# Altium PCB PCB1.PcbDoc (part 1 of 2)
Units mm, origin at the board's own origin, x right, y up, seen from the top; angles counter-clockwise.
Board outline 68.58 x 53.34 mm, 2 copper layers (L1, L2), stack 1.671 mm thick; 106 components, 71 nets, 327 pads, 71 vias.
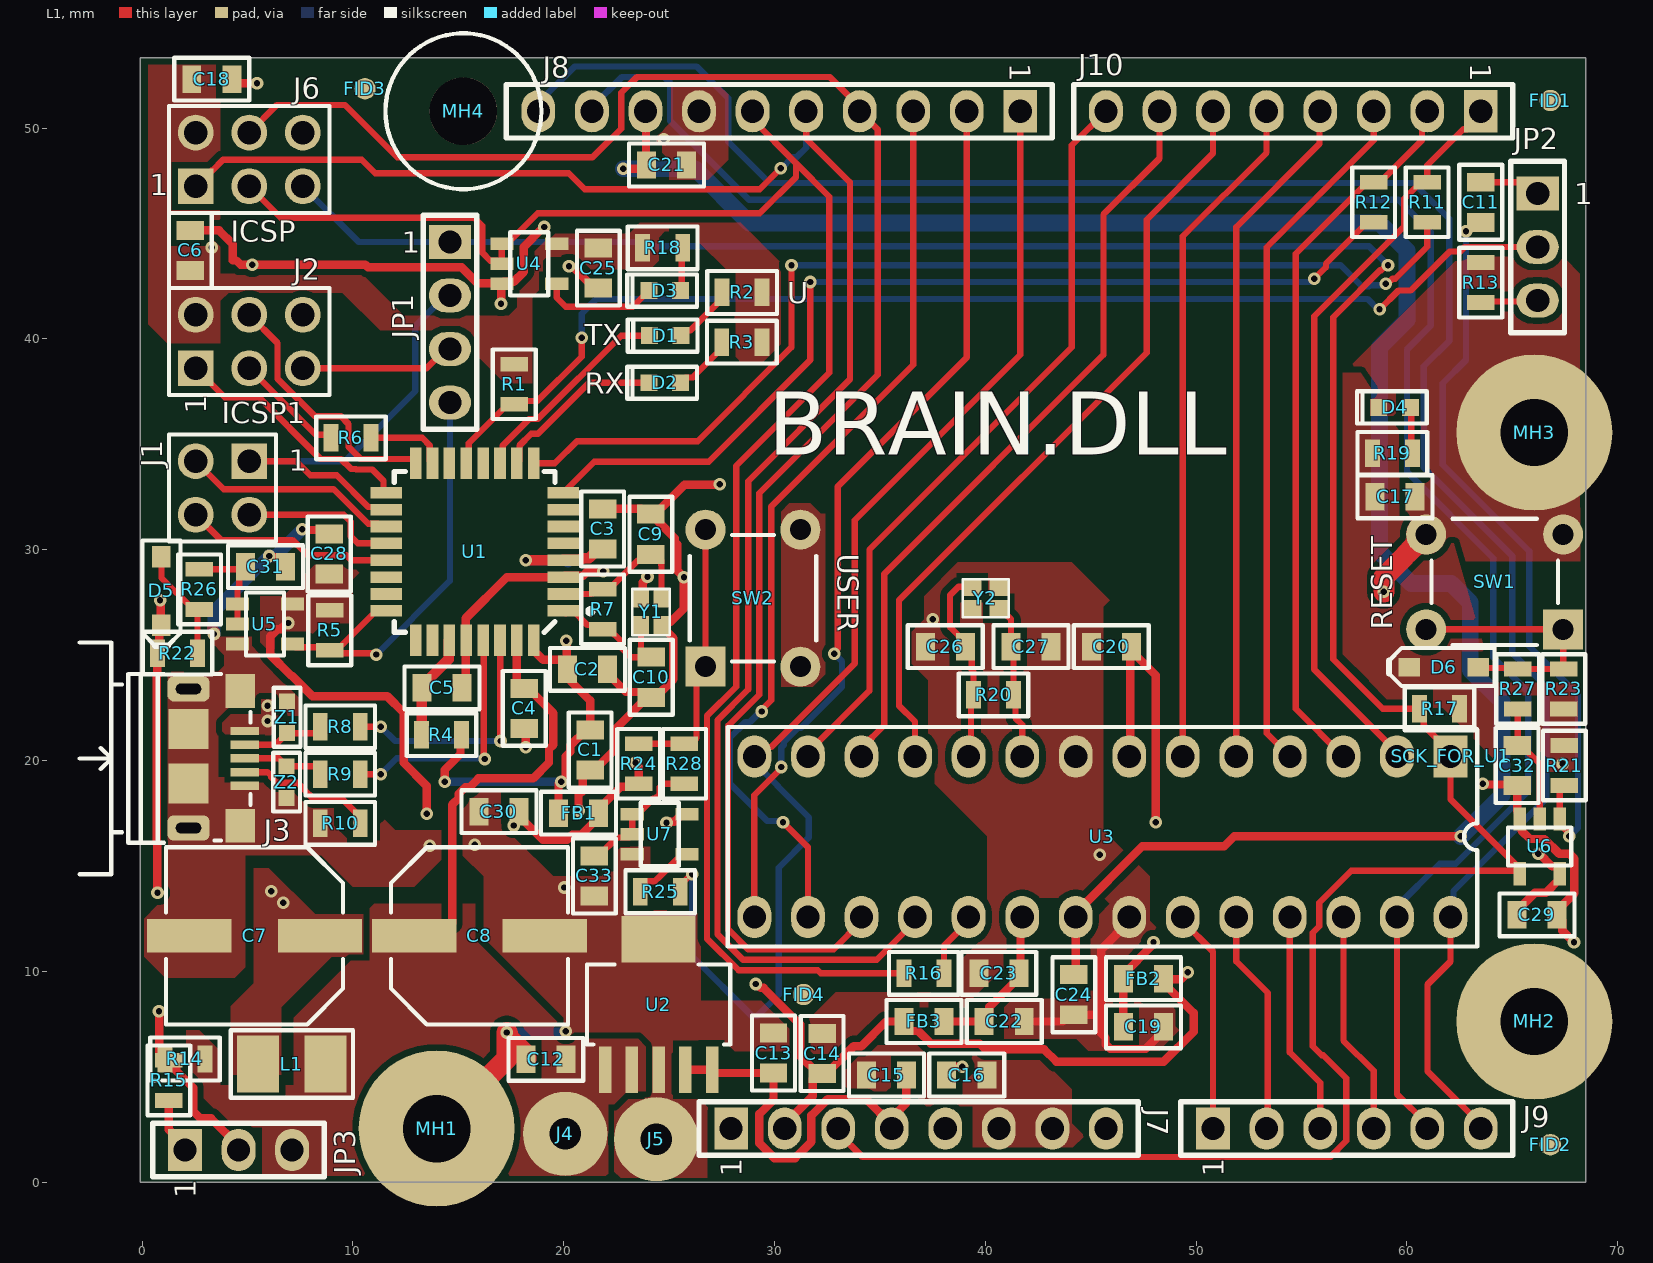
[diagram p0: L1 view]
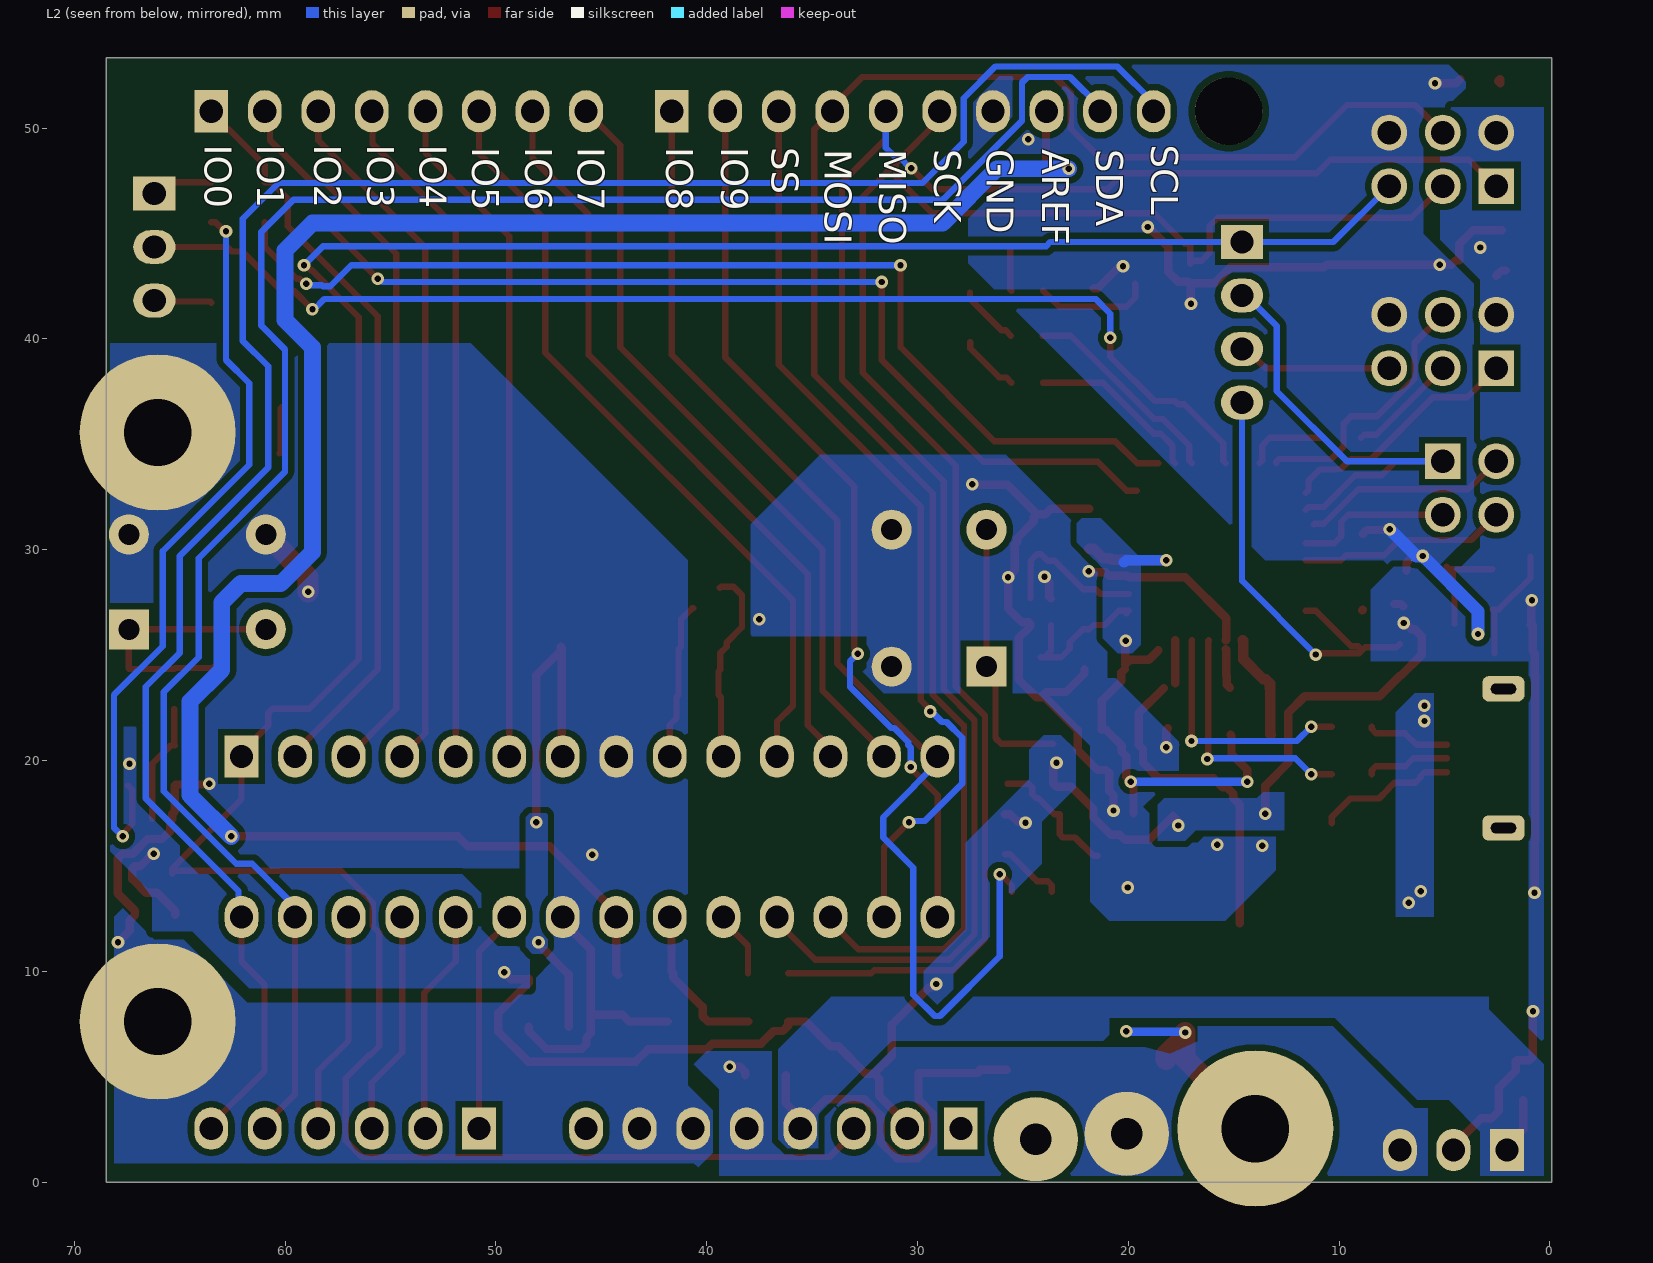
[diagram p1: L2 view, seen from below]
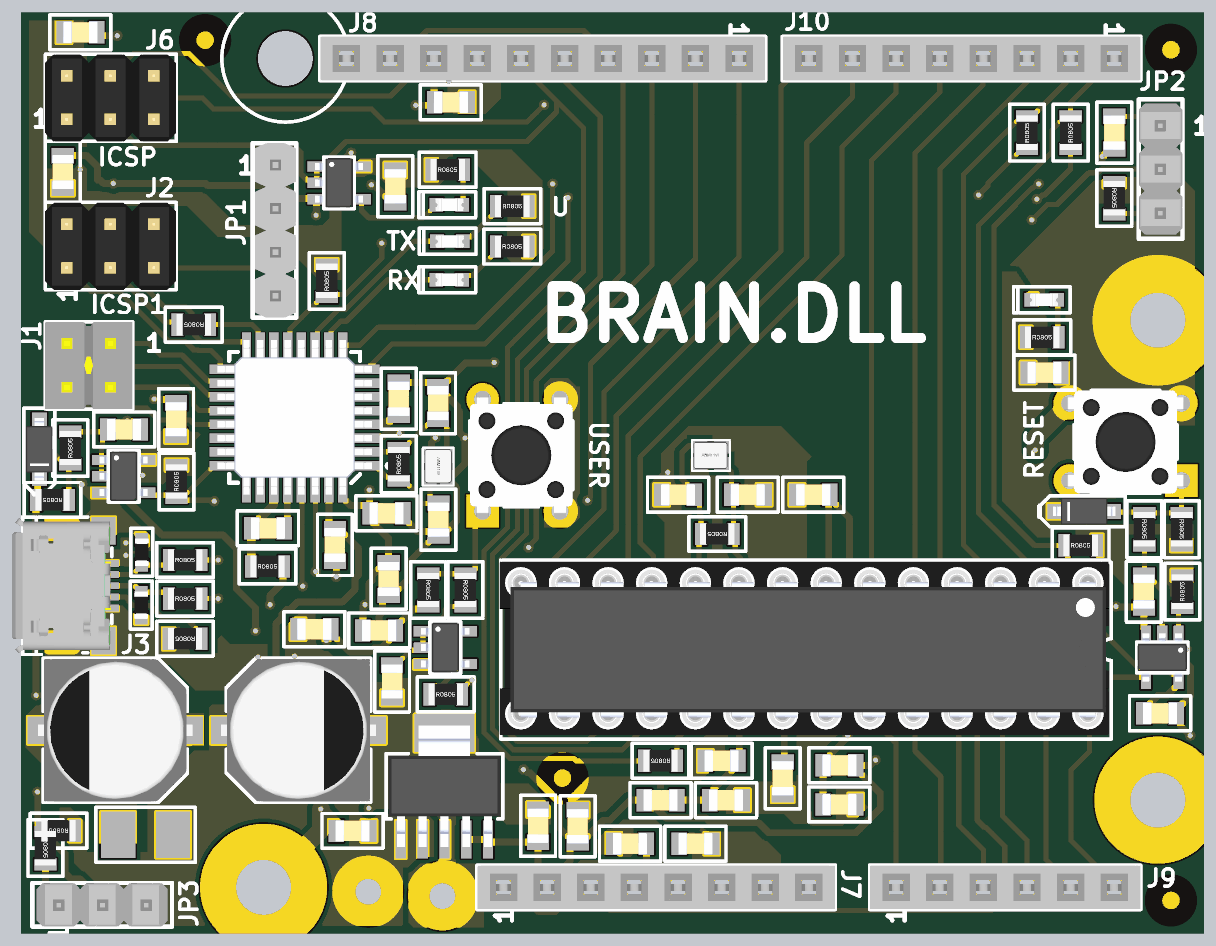
[diagram p3: 3D render of the assembled board from above, using the file's embedded part models]

## Layer stack, top to bottom
Top Solder: solder mask 0.0102, Solder Resist, Dk 3.5
L1: signal copper 0.0356
Dielectric 1: dielectric 1.6, FR-4, Dk 4.8
L2: signal copper 0.0356
Bottom Solder: solder mask 0.0102, Solder Resist, Dk 3.5

## Board outline
-0.1,0 68.48,0 68.48,53.34 -0.1,53.34

## Design rules (kind name [scope] priority, off if disabled: settings)
Clearance "Around Polygons" [IsRegion] p1: gap=0.3 ignorepadtopadclearanceinfootprint=FALSE
Clearance [All] p2: gap=0.2 ignorepadtopadclearanceinfootprint=FALSE
ComponentClearance MH4-FD3 [InComponent('MH4') vs InComponent('FID3')] p1: gap=0 collisioncheckmode=3 verticalgap=0 showdistances=FALSE
ComponentClearance MH4-J8 [InComponent('MH4') vs InComponent('J8')] p2: gap=0 collisioncheckmode=3 verticalgap=0 showdistances=FALSE
ComponentClearance U3 [InComponent('U3') vs InComponent('SCK_FOR_U1')] p3: gap=0 collisioncheckmode=3 verticalgap=0 showdistances=FALSE
ComponentClearance R14-R15 [InComponent('R14') vs InComponent('R15')] p4: gap=0 collisioncheckmode=3 verticalgap=0 showdistances=FALSE
ComponentClearance J4-J5 [InComponent('J4') vs InComponent('J5')] p5: gap=0 collisioncheckmode=3 verticalgap=0 showdistances=FALSE
ComponentClearance NEW_RULE [InComponent('MH1') vs InComponent('J4')] p6: gap=0 collisioncheckmode=3 verticalgap=0 showdistances=FALSE
ComponentClearance [All] p7: gap=0.2 collisioncheckmode=3 verticalgap=0.2 showdistances=FALSE
HoleSize [All] p1: absolutevalues=TRUE maxlimit=10 minlimit=0.2 maxpercent=80.000 minpercent=20.000
HoleToHoleClearance [All] p1: gap=0.3 allowstackedmicrovias=TRUE
MinimumSolderMaskSliver [All] p1: minsoldermaskwidth=0.1
PolygonConnect [All] p1: connectstyle=Direct reliefconductorwidth=0.254 reliefentries=4 polygonreliefangle="90 Angle" airgapwidth=0.254
RoutingVias [All] p1: holewidth=0.3 width=0.6 viastyle="Through Hole" minholewidth=0.3 minwidth=0.6 maxholewidth=0.3 maxwidth=0.6
SilkToSilkClearance [All] p1: silktosilkclearance=0.1
SilkToSolderMaskClearance [IsPad] p1: minsilkscreentomaskgap=0 clearancetoexposedcopper=TRUE
SolderMaskExpansion [All] p1: expansion=0.1 istentingtop=FALSE
Width Width_POWERS [InNet('+5V_USB', 'AREF','5/3V3_16U2') or InNet('GND') or InNet('5V')or InNet('5V/3V3')or InNet('3V3')] p1: maxlimit=4 minlimit=0.4 preferedwidth=0.4
Width [All] p2: maxlimit=0.5 minlimit=0.3 preferedwidth=0.3
24 further rules are at their usual default settings.

## Components (designator, comment, footprint, x,y, rotation, side; value= is the part's Value field where it differs from the comment)
C1 "10uF-0805/16V" C0805 21.25,20.5 r90 top
C2 "100nF-0805/50V" C0805 21.125,24.325 r180 top
C3 "100nF-0805/50V" C0805 21.844,30.988 r270 top
C4 "100nF-0805/50V" C0805 18.125,22.475 r90 top
C5 "1uF/25V" C0805 14.225,23.45 r180 top
C6 "100nF-0805/50V" C0805 2.286,44.196 r270 top
C7 "100uF/10V" C_ALU_E_SIZE 5.334,11.684 r180 top
C8 "100uF/10V" C_ALU_E_SIZE 16.002,11.684 r0 top
C9 "CBR08C180F5GAC" C0805 24.13,30.734 r270 top
C10 "CBR08C180F5GAC" C0805 24.15,23.95 r90 top
C11 "100nF-0805/50V" C0805 63.5,46.482 r270 top
C12 "10uF-0805/16V" C0805 19.15,5.825 r0 top
C13 "10uF-0805/16V" C0805 29.95,6.125 r270 top
C14 "100nF-0805/50V" C0805 32.258,6.096 r270 top
C15 "100nF-0805/50V" C0805 35.306,5.08 r0 top
C16 "100nF-0805/50V" C0805 39.116,5.08 r180 top
C17 "10uF-0805/16V" C0805 59.436,32.512 r180 top
C18 "100nF-0805/50V" C0805 3.302,52.324 r180 top
C19 "10uF-0805/16V" C0805 47.498,7.366 r180 top
C20 "100nF-0805/50V" C0805 45.974,25.4 r0 top
C21 "10uF-0805/16V" C0805 24.875,48.25 r180 top
C22 "10uF-0805/16V" C0805 40.894,7.62 r180 top
C23 "100nF-0805/50V" C0805 40.64,9.906 r0 top
C24 "100nF-0805/50V" C0805 44.196,8.89 r90 top
C25 "100nF-0805/50V" C0805 21.641,43.358 r90 top
C26 "CBR08C180F5GAC" C0805 38.1,25.4 r0 top
C27 "CBR08C180F5GAC" C0805 42.164,25.4 r180 top
C28 "100nF-0805/50V" C0805 8.875,29.8 r270 top
C29 "100nF-0805/50V" C0805 66.167,12.675 r180 top
C30 "100nF-0805/50V" C0805 16.925,17.575 r0 top
C31 "100nF-0805/50V" C0805 5.85,29.2 r0 top
C32 "100nF-0805/50V" C0805 65.227,19.761 r270 top
C33 "100nF-0805/50V" C0805 21.45,14.525 r270 top
D1 "Orange" LED-0603 24.816,40.157 r0 top
D2 "Orange" LED-0603 24.79,37.922 r0 top
D3 "Orange" LED-0603 24.79,42.291 r0 top
D4 "Green" LED-0603 59.411,36.754 r0 top
D5 "MBR0530" SOD-123 0.914,28.042 r90 top
D6 "MBR0530" SOD-123 61.747,24.435 r0 top
FB1 "MMZ2012Y600BT000" C0805 20.7,17.5 r180 top
FB2 "MMZ2012Y600BT000" C0805 47.498,9.652 r180 top
FB3 "MMZ2012Y600BT000" C0805 37.084,7.62 r0 top
FID1 "FID_1MMC" FID_40X120D 66.802,51.308 r0 top
FID2 "FID_1MMC" FID_40X120D 66.802,1.778 r90 top
FID3 "FID_1MMC" FID_40X120D 10.566,51.867 r90 top
FID4 "FID_1MMC" FID_40X120D 31.375,8.9 r90 top
J1 "HDR-2X2" HDR-2X2-2.54MM 5.08,34.2 r270 top locked
J2 "HDR-2X3" HDR-2X3-2.54MM 2.54,38.608 r90 top locked
J3 "10118193-0001LF" USB-A 3.537,20.1 r270 top
J4 "4MMX1.5MM" PAD_WITH_HOLE_4MMX1.5MM 20.066,2.286 r0 top
J5 "4MMX1.5MM" PAD_WITH_HOLE_4MMX1.5MM 24.384,2.032 r0 top
J6 "HDR-2X3" HDR-2X3-2.54MM 2.54,47.244 r90 top locked
J7 "HEADER-FEMALE-1X8-2.54mm" FEMALE-1X8-2.54MM 27.94,2.54 r90 top locked
J8 "HEADER-FEMALE-1X10-2.54mm" FEMALE-1X10-2.54MM 41.656,50.8 r270 top locked
J9 "HEADER-FEMALE-1X6-2.54mm" FEMALE-1X6-2.54MM 50.8,2.54 r90 top locked
J10 "HEADER-FEMALE-1X8-2.54mm" FEMALE-1X8-2.54MM 63.5,50.8 r270 top locked
JP1 "HDR_1X4" HDR-1X4-2.54MM 14.6,44.6 r0 top locked
JP2 "HDR_1X3" FEMALE-1X3-2.54MM 66.2,46.9 r0 top locked
JP3 "HDR_1X3" FEMALE-1X3-2.54MM 2.032,1.524 r90 top locked
L1 "2u2/2A" C1210_IND 7.1,5.6 r0 top
MH1 "MH_7.4MMC_3.2MMD" MH_7.4MMC_3.2MMD 13.97,2.54 r0 top locked
MH2 "MH_7.4MMC_3.2MMD" MH_7.4MMC_3.2MMD 66.04,7.62 r0 top locked
MH3 "MH_7.4MMC_3.2MMD" MH_7.4MMC_3.2MMD 66.04,35.56 r0 top locked
MH4 "MH_7.4MMC_3.2MMD" MH_7.4MMC_3.2MMD_NON_COPPER_NPLT 15.24,50.8 r0 top locked
R1 "100K" R0805 17.65,37.85 r90 top
R2 "560R" R0805 28.458,42.204 r0 top
R3 "560R" R0805 28.45,39.85 r0 top
R4 "0R" R0805 14.2,21.225 r0 top
R5 "10K" R0805 8.9,26.175 r90 top
R6 "22R" R0805 9.906,35.306 r180 top
R7 "1MR/0805" R0805 21.844,27.178 r90 top
R8 "22R" R0805 9.4,21.6 r0 top
R9 "22R" R0805 9.4,19.35 r0 top
R10 "0R" R0805 9.398,17.018 r180 top
R11 "1K" R0805 60.96,46.482 r90 top
R12 "1K" R0805 58.42,46.482 r90 top
R13 "1K" R0805 63.5,42.672 r270 top
R14 "0R" R0805 2.032,5.842 r180 top
R15 "0R" R0805 1.27,4.826 r270 top
R16 "22R" R0805 37.084,9.906 r180 top
R17 "10K" R0805 61.544,22.454 r0 top
R18 "560R" R0805 24.689,44.323 r0 top
R19 "560R" R0805 59.309,34.569 r0 top
R20 "1MR/0805" R0805 40.386,23.114 r180 top
R21 "10K" R0805 67.462,19.761 r90 top
R22 "10K" R0805 1.676,25.095 r180 top
R23 "10K" R0805 67.437,23.393 r270 top
R24 "10K" R0805 23.55,19.85 r270 top
R25 "560R" R0805 24.575,13.775 r0 top
R26 "22R" R0805 2.718,28.118 r90 top
R27 "22R" R0805 65.253,23.393 r270 top
R28 "22R" R0805 25.725,19.85 r270 top
SCK_FOR_U1 "28-DIP Socket" 28_DIP_7.62MM_SOCKET 62.065,20.193 r270 top locked
SW1 "1825910-6" 1825910-6 64.16,28.473 r270 top
SW2 "1825910-6" 1825910-6 28.975,27.7 r180 top
U1 "ATMEGA16U2-AU" TQFP32 15.775,29.9 r180 top locked
U2 "TL1963A-33DCQT" "DCQ (R-PDSO-G6)" 24.6,8.525 r270 top
U3 "ATMEGA328P-PU" DIP28 62.065,20.193 r270 top locked
U4 "SN74AUC1G08DBVR" DBV-SOT-23-5 18.364,43.561 r0 top
U5 "SN74AUC1G08DBVR" DBV-SOT-23-5 5.825,26.475 r0 top
U6 "SN74AUC1G08DBVR" DBV-SOT-23-5 66.294,15.926 r270 top
U7 "SN74AUC1G08DBVR" DBV-SOT-23-5 24.55,16.5 r0 top
Y1 "ABM11W-16.0000MHZ-8-B1U-T3" ABM11W 24.638,27.686 r270 top
Y2 "ABM11W-16.0000MHZ-8-B1U-T3" ABM11W 39.37,28.194 r0 top
Z1 "CGA0603MLC-05E" Z0603 6.875,22.05 r270 top
Z2 "CGA0603MLC-05E" Z0603 6.85,18.975 r90 top

## Footprints (in the part's own frame and the unit in brackets; to place one, negate y for a bottom-side part, rotate by r counter-clockwise, add the part's x,y. Pads: shape width x height; smd on the part's side, far side on the other; paste and mask are expansions set on the pad)
28_DIP_7.62MM_SOCKET [mm]
  body extent -1.32,-34.36 8.78,1.14, height 4.2
1825910-6 [mm]
  rect 1.9x1.9 hole 1: 1(2.25,3.25)
  round 1.9 hole 1: 2(2.25,-3.25) 3(-2.25,3.25) 4(-2.25,-3.25)
  silkscreen extent -3,-3 3,3, body extent -3,-3.9 3,3.9, height 5
ABM11W [mm]
  rect 0.875x0.775 smd mask+0.02: 1(0,0) 2(1.27,0) 3(1.27,-0.975) 4(0,-0.975)
  silkscreen extent -0.45,-1.4 1.75,0.4, body extent -0.38,-1.31 1.62,0.29, height 0.55
C0805 [mm]
  rect 0.9x1.3 smd: 1(-0.95,0) 2(0.95,0)
  silkscreen extent -1.78,-1.02 1.78,1.02, body extent -1,-0.63 1,0.63, height 0.7
C1210_IND [mm]
  rect 2x2.7 smd: 1(-1.6,0) 2(1.6,0)
  silkscreen extent -2.9,-1.6 2.9,1.6, body extent -1.67,-1.26 1.53,1.27, height 2.7
C_ALU_E_SIZE [mm]
  rect 4x1.6 smd: 1(-3.1,0) 2(3.1,0)
  silkscreen extent -4.2,-4.2 4.2,4.2, body extent -4.5,-4.15 4.5,4.15, height 6.22
DBV-SOT-23-5 [mm]
  rect 1.1x0.6 smd: 1(-1.3,0.95) 2(-1.3,0) 3(-1.3,-0.95) 4(1.3,-0.95) 5(1.3,0.95)
  silkscreen extent -0.9,-1.5 0.9,1.5, body extent -1.4,-1.45 1.4,1.45, height 1.45
"DCQ (R-PDSO-G6)" [mm]
  rect 2.2x0.6 smd: 1(3.2,-2.64) 2(3.2,-1.37) 3(3.2,-0.1) 4(3.2,1.17) 5(3.2,2.44)
  rect 2.2x3.5 smd: 6(-3,-0.1)
  silkscreen extent -1.8,-3.5 2,3.3, body extent -3.43,-3.35 3.63,3.15, height 1.8
DIP28 [mm]
  rect 2x1.6 hole 1.1: 1(0,0)
  oval 2x1.6 hole 1.1: 2(0,-2.54) 3(0,-5.08) 4(0,-7.62) 5(0,-10.16) 6(0,-12.7) 7(0,-15.24) 8(0,-17.78) 9(0,-20.32) 10(0,-22.86) 11(0,-25.4) 12(0,-27.94) 13(0,-30.48) 14(0,-33.02) 15(7.62,-33.02) 16(7.62,-30.48) 17(7.62,-27.94) 18(7.62,-25.4) 19(7.62,-22.86) 20(7.62,-20.32) 21(7.62,-17.78) 22(7.62,-15.24) 23(7.62,-12.7) 24(7.62,-10.16) 25(7.62,-7.62) 26(7.62,-5.08) 27(7.62,-2.54) 28(7.62,0)
  silkscreen extent -1.4,-34.29 9.02,1.27, body extent -0.14,-33.72 7.76,0.95, height 8.07
FEMALE-1X3-2.54MM [mm]
  rect 2x1.6 hole 1.1: 1(0,0)
  oval 2x1.6 hole 1.1: 2(0,-2.54) 3(0,-5.08)
  silkscreen extent -1.27,-6.6 1.27,1.52, body extent -1.27,-6.35 1.27,1.27, height 9.21
FEMALE-1X6-2.54MM [mm]
  rect 2x1.6 hole 1.1: 1(0,0)
  oval 2x1.6 hole 1.1: 2(0,-2.54) 3(0,-5.08) 4(0,-7.62) 5(0,-10.16) 6(0,-12.7)
  silkscreen extent -1.27,-14.22 1.27,1.52, body extent -1.27,-14.22 1.27,1.52, height 8.8
FEMALE-1X8-2.54MM [mm]
  rect 2x1.6 hole 1.1: 1(0,0)
  oval 2x1.6 hole 1.1: 2(0,-2.54) 3(0,-5.08) 4(0,-7.62) 5(0,-10.16) 6(0,-12.7) 7(0,-15.24) 8(0,-17.78)
  silkscreen extent -1.27,-19.3 1.27,1.52, body extent -1.27,-19.3 1.27,1.52, height 8.8
FEMALE-1X10-2.54MM [mm]
  rect 2x1.6 hole 1.1: 1(0,0)
  oval 2x1.6 hole 1.1: 2(0,-2.54) 3(0,-5.08) 4(0,-7.62) 5(0,-10.16) 6(0,-12.7) 7(0,-15.24) 8(0,-17.78) 9(0,-20.32) 10(0,-22.86)
  silkscreen extent -1.27,-24.38 1.27,1.52, body extent -1.27,-24.38 1.27,1.52, height 8.9
FID_40X120D [mil]
  round 40 smd paste-40 mask+40: 1(0,0)
HDR-1X4-2.54MM [mm]
  rect 2x1.6 hole 1.1: 1(0,0)
  oval 2x1.6 hole 1.1: 2(0,-2.54) 3(0,-5.08) 4(0,-7.62)
  silkscreen extent -1.27,-8.89 1.27,1.27, body extent -1.14,-8.89 1.27,1.27, height 8.19
HDR-2X2-2.54MM [mm]
  rect 1.7x1.7 hole 1.1: 1(0,0)
  round 1.7 hole 1.1: 2(2.54,0) 3(0,-2.54) 4(2.54,-2.54)
  silkscreen extent -1.27,-3.81 3.81,1.27, body extent -1.27,-3.84 3.81,1.24, height 7.89
HDR-2X3-2.54MM [mm]
  rect 1.7x1.7 hole 1.1: 1(0,0)
  round 1.7 hole 1.1: 2(2.54,0) 3(0,-2.54) 4(2.54,-2.54) 5(0,-5.08) 6(2.54,-5.08)
  silkscreen extent -1.27,-6.35 3.81,1.27, body extent -1.28,-6.33 3.8,1.29, height 9.21
LED-0603 [mm]
  rect 0.8x0.8 smd: 1(-0.75,0) 2(0.75,0)
  silkscreen extent -1.78,-0.76 1.52,0.76, body extent -0.82,-0.38 0.82,0.35, height 0.68
MH_7.4MMC_3.2MMD [mm]
  round 7.4 hole 3.2: 1(0,0)
MH_7.4MMC_3.2MMD_NON_COPPER_NPLT [mm]
  round 3.2 hole 3.2 unplated: 1(0,0)
  silkscreen extent -3.7,-3.7 3.7,3.7
PAD_WITH_HOLE_4MMX1.5MM [mm]
  round 4 hole 1.5: 1(0,0)
R0805 [mm]
  rect 0.7x1.3 smd: 1(-0.95,0) 2(0.95,0)
  silkscreen extent -1.65,-1.02 1.65,1.02, body extent -1,-0.63 1,0.63, height 0.7
SOD-123 [mm]
  rect 1.02x0.88 smd: 1(-1.635,0) 2(1.635,0)
  silkscreen extent -2.6,-0.9 2.4,0.9, body extent -1.83,-0.77 1.83,0.77, height 1.46
TQFP32 [mm]
  rect 1.5x0.55 smd mask+0.06: 1(-4.2,2.8) 2(-4.2,2) 3(-4.2,1.2) 4(-4.2,0.4) 5(-4.2,-0.4) 6(-4.2,-1.2) 7(-4.2,-2) 8(-4.2,-2.8) 17(4.2,-2.8) 18(4.2,-2) 19(4.2,-1.2) 20(4.2,-0.4) 21(4.2,0.4) 22(4.2,1.2) 23(4.2,2) 24(4.2,2.8)
  rect 0.55x1.5 smd mask+0.06: 9(-2.8,-4.2) 10(-2,-4.2) 11(-1.2,-4.2) 12(-0.4,-4.2) 13(0.4,-4.2) 14(1.2,-4.2) 15(2,-4.2) 16(2.8,-4.2) 25(2.8,4.2) 26(2,4.2) 27(1.2,4.2) 28(0.4,4.2) 29(-0.4,4.2) 30(-1.2,4.2) 31(-2,4.2) 32(-2.8,4.2)
  silkscreen extent -5.6,-3.81 3.81,3.81, body extent -4.5,-4.5 4.5,4.5, height 1.12
USB-A [mm]
  rect 0.4x1.35 smd mask+0.05: 1(-1.3,1.338) 2(-0.65,1.338) 3(0,1.338) 4(0.65,1.338) 5(1.3,1.338)
  rect 1.6x1.4 smd: 6(-3.2,1.112) 7(3.2,1.112)
  rrect50% 1.2x2 hole 0.5 slot 1.2 at 90 deg: 8(-3.3,-1.338) 9(3.3,-1.338)
  rect 1.9x1.9 smd: 10(-1.4,-1.338) 11(1.2,-1.338)
  silkscreen extent -5.5,-6.5 5.5,1.6, body extent -3.93,-4.2 3.93,1.58, height 2.88
Z0603 [mm]
  rect 0.75x0.75 smd: 1(-0.75,0) 2(0.75,0)
  silkscreen extent -1.4,-0.64 1.4,0.64, body extent -0.8,-0.4 0.8,0.4, height 0.46

## Part data
C1 C12 C13 C17 C19 C21 C22: library part C2012X5R1C106M085AC, "TDK - C2012X5R1C106M085AC - SMD Multilayer Ceramic Capacitor, 10 µF, 16 V, 0805 [2012 Metric], ± 20%, X5R, C Series TDK", Capacitance=10uF, Case Code (Metric)=2012, Case Code (Imperial)=0805, Dielectric=X5R, Dielectric Material=Ceramic, Manufacturer=TDK, Max Operating Temperature=85°C, Min Operating Temperature=-55°C, Package Quantity=4000, Supplier Part Number 1=445-7645-1-ND, Tolerance=20%, Voltage=16V, Case/Package=0805, Category="Ceramic Capacitors", ComponentLink1Description=https://datasheet.ciiva.com/24218/c2012x5r1c106m085ac-265002-24218340.pdf?src-supplier=Mouser, ComponentLink1URL=https://datasheet.ciiva.com/24218/c2012x5r1c106m085ac-265002-24218340.pdf?src-supplier=Mouser, ComponentLink2Description=https://datasheet.ciiva.com/11788/0900766b80c1bb00-11788108.pdf?src-supplier=RSComponents, ComponentLink2URL=https://datasheet.ciiva.com/11788/0900766b80c1bb00-11788108.pdf?src-supplier=RSComponents, ComponentLink3Description=https://datasheet.ciiva.com/6290/tdkmlcccaprange-6290485.pdf?src-supplier=Digi-Key, ComponentLink3URL=https://datasheet.ciiva.com/6290/tdkmlcccaprange-6290485.pdf?src-supplier=Digi-Key, ComponentLink4Description=https://datasheet.ciiva.com/22725/1913358-22725557.pdf?src-supplier=Element14, ComponentLink4URL=https://datasheet.ciiva.com/22725/1913358-22725557.pdf?src-supplier=Element14, ComponentLink5Description=https://datasheet.ciiva.com/6290/tdkmlcccaprange-6290487.pdf?src-supplier=Digi-Key, ComponentLink5URL=https://datasheet.ciiva.com/6290/tdkmlcccaprange-6290487.pdf?src-supplier=Digi-Key, ComponentLink6Description=https://datasheet.ciiva.com/16449/e412-c-16449591.pdf?src-supplier=Future+Electronics, ComponentLink6URL=https://datasheet.ciiva.com/16449/e412-c-16449591.pdf?src-supplier=Future+Electronics, ComponentLink7Description=https://datasheet.ciiva.com/23803/1796654-23803021.pdf?src-supplier=Newark, ComponentLink7URL=https://datasheet.ciiva.com/23803/1796654-23803021.pdf?src-supplier=Newark, Depth=1.25mm, Height=0.85mm, Lead Free="Lead Free", Length=2mm, Manufacturer Part Number=C2012X5R1C106M085AC, Mount="Surface Mount", Number of Pins=2, Packaging="Tape and Reel", Pricing 1="1=0,29000, 10=0,19800, 50=0,11900, 100=0,10050, 500=0,06876, 1000=0,06084 (USD)", REACH SVHC="No SVHC", Resistor Type=Ceramic, RoHS=Yes, Stock 1=53928, Supplier 1=Digi-Key, Termination=SMD/SMT, Thickness=0.037inch, Voltage Rating=16V, Voltage Rating (DC)=16V, Weight=0.000194oz, Width=0.049inch
C2 C3 C4 C6 C11 C14 C15 C16 C18 C20 C23 C24 C25 C28 C29 C30 C31 C32 C33: library part C2012X7R1H104K125AE, "Ceramic Capacitor, Multilayer, Ceramic, 50V, 10% +Tol, 10% -Tol, X7R, 15% TC, 0.1uF, Surface Mount, 0805", Capacitance=100nF, Case Code (Metric)=2012, Case Code (Imperial)=0805, Dielectric=X7R, Manufacturer=TDK, Max Operating Temperature=125°C, Min Operating Temperature=-55°C, Package Quantity=2000, Supplier Part Number 1=445-15929-1-ND, Tolerance=10%, Voltage Rating=50V, Case/Package=0805, Category="Ceramic Capacitors", ComponentLink1Description=https://datasheet.ciiva.com/29534/mlcc-commercial-soft-en-29534235.pdf?src-supplier=Digi-Key, ComponentLink1URL=https://datasheet.ciiva.com/29534/mlcc-commercial-soft-en-29534235.pdf?src-supplier=Digi-Key, Features="Soft Termination", Height=1.25mm, Length=0.079inch, Manufacturer Part Number=C2012X7R1H104K125AE, Mount="Surface Mount", Packaging="Tape and Reel", Pricing 1="1=0,25000, 10=0,17200, 50=0,11440, 100=0,09720, 500=0,06864, 1000=0,06006 (USD)", RoHS=Yes, RoHS Compliant=Yes, Stock 1=3200, Supplier 1=Digi-Key, Termination=SMD/SMT, Thickness=0.057inch, Voltage Rating (DC)=50V, Weight=0.000194oz, Width=0.049inch
C5: library part CGB4B3JB1E105K055AB, "CAP CER 1UF 25V JB 0805", Capacitance=1uF, Case Code (Metric)=2012, Case Code (Imperial)=0805, Manufacturer=TDK, Max Operating Temperature=85°C, Min Operating Temperature=-25°C, Package Quantity=4000, Supplier Part Number 1=445-13262-1-ND, Tolerance=10%, Voltage Rating=25V, Case/Package=0805, Category="Ceramic Capacitors", ComponentLink1Description=http://www.mouser.com/ds/2/400/tdk_mlcc_commercial_general_en-542463.pdf?src-supplier=Mouser, ComponentLink1URL=http://www.mouser.com/ds/2/400/tdk_mlcc_commercial_general_en-542463.pdf?src-supplier=Mouser, ComponentLink2Description=http://product.tdk.com/en/catalog/datasheets/mlcc_commercial_lowprofile_en.pdf?src-supplier=Avnet, ComponentLink2URL=http://product.tdk.com/en/catalog/datasheets/mlcc_commercial_lowprofile_en.pdf?src-supplier=Avnet, ComponentLink3Description=https://product.tdk.com/info/en/catalog/datasheets/mlcc_commercial_lowprofile_en.pdf?src-supplier=Digi-Key, ComponentLink3URL=https://product.tdk.com/info/en/catalog/datasheets/mlcc_commercial_lowprofile_en.pdf?src-supplier=Digi-Key, ComponentLink4Description=https://product.tdk.com/info/en/documents/chara_sheet/CGB4B3JB1E105K055AB.pdf?src-supplier=Digi-Key, ComponentLink4URL=https://product.tdk.com/info/en/documents/chara_sheet/CGB4B3JB1E105K055AB.pdf?src-supplier=Digi-Key, Length=0.079inch, Manufacturer Part Number=CGB4B3JB1E105K055AB, Mount="Surface Mount", Packaging="Tape and Reel", Pricing 1="1=0,38000, 10=0,26200, 50=0,17480, 100=0,14860, 500=0,10488, 1000=0,09177 (USD)", RoHS=Yes, RoHS Compliant=Yes, Series=CGB, Stock 1=9451, Supplier 1=Digi-Key, Thickness=0.022inch, Width=0.049inch
C7 C8: library part EEE-HA1A101AP, "Cap Aluminum Lytic 100uF 10V 20% (8 X 6.2mm) SMD 110mA 1000h 105C T/R", Capacitance=100uF, Case/Package=Radial, Manufacturer=Panasonic, Max Operating Temperature=105°C, Min Operating Temperature=-40°C, Package Quantity=1000, Ripple Current=110mA, Supplier Part Number 1=PCE4650CT-ND, Tolerance=20%, Voltage Rating=10V, Category="Aluminum Electrolytic Capacitors", ComponentLink1Description=https://datasheet.ciiva.com/24070/aba0000ce3-259063-24070870.pdf?src-supplier=Mouser, ComponentLink1URL=https://datasheet.ciiva.com/24070/aba0000ce3-259063-24070870.pdf?src-supplier=Mouser, ComponentLink2Description=https://datasheet.ciiva.com/11680/aba0000ce3-11680519.pdf?src-supplier=Avnet, ComponentLink2URL=https://datasheet.ciiva.com/11680/aba0000ce3-11680519.pdf?src-supplier=Avnet, Construction=Cylindrical, Diameter=8mm, Height=6.2mm, Height - Seated (Max)=0.244inch, Length=6.5mm, Life (Hours)=1000Hour, Manufacturer Part Number=EEE-HA1A101AP, Mount="Surface Mount", Packaging="Tape and Reel", Polarity=Polar, Pricing 1="1=0,57000, 10=0,40100, 50=0,30340, 100=0,26430 (USD)", Radiation Hardening=No, RoHS=Yes, RoHS Compliant=Yes, Series="Automotive, AEC-Q200, HA", Stock 1=351, Supplier 1=Digi-Key, Termination=SMD/SMT, Voltage Rating (DC)=10V
C9 C10 C26 C27: "CAP CER 18PF 50V NP0 0805", Capacitance=18pF, Case/Package=0805, Dielectric=C0G, Manufacturer=KEMET, Max Operating Temperature=125°C, Min Operating Temperature=-55°C, Package Quantity=4000, Supplier Part Number 1=399-17327-1-ND, Tolerance=1%, Voltage Rating=50V, Category="Ceramic Capacitors", ComponentLink1Description=https://datasheet.ciiva.com/6262/kem-c1030-cbr-smd-6262511.pdf?src-supplier=Digi-Key, ComponentLink1URL=https://datasheet.ciiva.com/6262/kem-c1030-cbr-smd-6262511.pdf?src-supplier=Digi-Key, Construction=Flat, Contact Plating=Tin,Matte, Length=0.079inch, Manufacturer Part Number=CBR08C180F5GAC, Mount="Surface Mount", Packaging="Tape and Reel", Pricing 1="1=1,11000, 10=0,84100, 50=0,69860, 100=0,60150, 500=0,46570, 1000=0,40102 (USD)", RoHS=Yes, RoHS Compliant=Yes, Series=CBR, Stock 1=2495, Supplier 1=Digi-Key, Termination=Wraparound, Thickness=0.035inch, Width=0.049inch
D1 D2 D3: library part LOL29K-H2K1-24-Z, "OSRAM - LO L29K-H2K1-24-Z - SMARTLED 0603 ORANGE 55AC2374", Case Code (Metric)=1608, Case Code (Imperial)=0603, Forward Current=20mA, Forward Voltage=2.2V, Lens Color=White, Manufacturer="Osram Opto", Max Operating Temperature=100°C, Min Operating Temperature=-40°C, Package Quantity=5000, Reverse Voltage=12V, Supplier Part Number 1="LO L29K-H2K1-24-Z", Test Current=2mA, Case/Package=0603, Category=Uncategorized, Color=Orange, ComponentLink1Description=https://datasheet.ciiva.com/2112/00077105-0-2112905.pdf?src-supplier=Digi-Key, ComponentLink1URL=https://datasheet.ciiva.com/2112/00077105-0-2112905.pdf?src-supplier=Digi-Key, ComponentLink2Description=https://datasheet.ciiva.com/2112/00077105-0-2112904.pdf?src-supplier=Digi-Key, ComponentLink2URL=https://datasheet.ciiva.com/2112/00077105-0-2112904.pdf?src-supplier=Digi-Key, ComponentLink3Description=https://datasheet.ciiva.com/2112/00077105-0-2112906.pdf?src-supplier=Digi-Key, ComponentLink3URL=https://datasheet.ciiva.com/2112/00077105-0-2112906.pdf?src-supplier=Digi-Key, ComponentLink4Description=https://datasheet.ciiva.com/15198/getdatasheetpartid-693885-15198412.pdf?src-supplier=Verical, ComponentLink4URL=https://datasheet.ciiva.com/15198/getdatasheetpartid-693885-15198412.pdf?src-supplier=Verical, Depth=0.8mm, Dominant Wavelength=606nm, Height=0.65mm, Length=1.3mm, Lens Size=0.8mm, Lens Style=Flat,Diffused,Colorless,Rectangular, Lens Transparency=Diffused, Luminous Flux=0.025lm, Luminous Intensity=9mcd, Manufacturer Part Number=LOL29K-H2K1-24-Z, Mount="Surface Mount", Number of Elements=1, Number of LEDs=1, Number of Pins=2, Packaging="Tape and Reel", Radiation Hardening=No, RoHS=Yes, RoHS Compliant=Yes, Series=SmartLED, Supplier 1="Arrow Electronics", Viewing Angle=160°, Width=0.8mm, Illumination Color=Orange
D4: library part LTQ39E-Q1OO-25-1, "LED GREEN DIFFUSED 0603 SMD", Case Code (Metric)=1608, Case Code (Imperial)=0603, Case/Package=SMD/SMT, Forward Current=15mA, Forward Voltage=2.85V, Lens Color=White, Manufacturer="Osram Opto", Max Operating Temperature=85°C, Min Operating Temperature=-40°C, Package Quantity=16000, Supplier Part Number 1=475-3441-1-ND, Test Current=5mA, Category=LEDs, Color=Green, ComponentLink1Description=http://www.mouser.com/ds/2/311/LT%20Q39E%20-%20CHIPLED%200603-318171.pdf?src-supplier=Mouser, ComponentLink1URL=http://www.mouser.com/ds/2/311/LT%20Q39E%20-%20CHIPLED%200603-318171.pdf?src-supplier=Mouser, ComponentLink2Description=http://components.arrow.com/part/dataview/48286240S9138660N2128?src-supplier=Arrow+Electronics, ComponentLink2URL=http://components.arrow.com/part/dataview/48286240S9138660N2128?src-supplier=Arrow+Electronics, ComponentLink3Description=https://dammedia.osram.info/media/resource/hires/osram-dam-2493475/LT%20Q39E.pdf?src-supplier=Digi-Key, ComponentLink3URL=https://dammedia.osram.info/media/resource/hires/osram-dam-2493475/LT%20Q39E.pdf?src-supplier=Digi-Key, ComponentLink4Description=http://www.osram-os.com/Graphics/XPic7/00185661_0.pdf?src-supplier=Digi-Key, ComponentLink4URL=http://www.osram-os.com/Graphics/XPic7/00185661_0.pdf?src-supplier=Digi-Key, ComponentLink5Description=http://catalog.osram-os.com/jsp/download.jsp?rootPath=/media/&name=LB_LT_Q39E.pdf&docPath=Graphics/00052413_0.pdf&url=/media//_en/Graphics/00052413_0.pdf&src-supplier=Avnet, ComponentLink5URL=http://catalog.osram-os.com/jsp/download.jsp?rootPath=/media/&name=LB_LT_Q39E.pdf&docPath=Graphics/00052413_0.pdf&url=/media//_en/Graphics/00052413_0.pdf&src-supplier=Avnet, ComponentLink6Description=http://www.osram-os.com/Graphics/XPic7/00185661_0.pdf/LT%20Q39E%20-%20CHIPLED%200603.pdf?src-supplier=Avnet, ComponentLink6URL=http://www.osram-os.com/Graphics/XPic7/00185661_0.pdf/LT%20Q39E%20-%20CHIPLED%200603.pdf?src-supplier=Avnet, Depth=0.9mm, Dominant Wavelength=530nm, Length=1.6mm, Lens Size=0.8mm, Lens Style=Flat,Diffused,Colorless,Rectangular, Lens Transparency=Diffused, Luminous Flux=0.34lm, Luminous Intensity=175.5mcd, Manufacturer Part Number=LTQ39E-Q1OO-25-1, Mount="Surface Mount", Number of Elements=1, Number of LEDs=1, Number of Pins=2, Packaging="Tape and Reel", Pricing 1="1=0,42000, 10=0,27400, 100=0,18280, 500=0,12644, 1000=0,10536, 2000=0,09483 (USD)", Radiation Hardening=No, RoHS=Yes, RoHS Compliant=Yes, Series="CHIPLED 0603", Stock 1=4572, Supplier 1=Digi-Key, Viewing Angle=130°, Width=0.8mm
D5 D6: "DIODE SCHOTTKY 30V 500MA SOD123", Average Rectified Current=500mA, Forward Voltage=430mV, Manufacturer="ON Semiconductor / Fairchild", Max Forward Surge Current (Ifsm)=5.5A, Max Operating Temperature=150°C, Max Repetitive Reverse Voltage (Vrrm)=30V, Max Reverse Current=130uA, Min Operating Temperature=-65°C, Package Quantity=1, Supplier Part Number 1=15R3453, Category="Schottky Diodes", ComponentLink1Description=https://datasheet.ciiva.com/30479/0900766b810e2512-30479401.pdf?src-supplier=RSComponents, ComponentLink1URL=https://datasheet.ciiva.com/30479/0900766b810e2512-30479401.pdf?src-supplier=RSComponents, ComponentLink2Description=https://datasheet.ciiva.com/34301/974753-34301826.pdf?src-supplier=Jameco, ComponentLink2URL=https://datasheet.ciiva.com/34301/974753-34301826.pdf?src-supplier=Jameco, ComponentLink3Description=https://datasheet.ciiva.com/910/mbr0530-910516.pdf?src-supplier=Digi-Key, ComponentLink3URL=https://datasheet.ciiva.com/910/mbr0530-910516.pdf?src-supplier=Digi-Key, ComponentLink4Description=https://datasheet.ciiva.com/25931/mbr0530-25931989.pdf?src-supplier=Avnet+Europe, ComponentLink4URL=https://datasheet.ciiva.com/25931/mbr0530-25931989.pdf?src-supplier=Avnet+Europe, ComponentLink5Description=https://datasheet.ciiva.com/8300/mbr0530-8300905.pdf?src-supplier=Avnet, ComponentLink5URL=https://datasheet.ciiva.com/8300/mbr0530-8300905.pdf?src-supplier=Avnet, ComponentLink6Description=https://datasheet.ciiva.com/17318/mbr0530-17318568.pdf?src-supplier=Future+Electronics, ComponentLink6URL=https://datasheet.ciiva.com/17318/mbr0530-17318568.pdf?src-supplier=Future+Electronics, ComponentLink7Description=https://datasheet.ciiva.com/15144/getdatasheetpartid-86760-15144598.pdf?src-supplier=Verical, ComponentLink7URL=https://datasheet.ciiva.com/15144/getdatasheetpartid-86760-15144598.pdf?src-supplier=Verical, ComponentLink8Description=https://datasheet.ciiva.com/910/mbr0530-910518.pdf?src-supplier=Digi-Key, ComponentLink8URL=https://datasheet.ciiva.com/910/mbr0530-910518.pdf?src-supplier=Digi-Key, Contact Plating=Tin,Matte, Current Rating=500mA, Element Configuration=Single, Forward Current=500mA, Height=1.03mm, Lead Free="Lead Free", Length=2.7mm, Manufacturer Part Number=MBR0530, Max Reverse Leakage Current=130uA, Max Reverse Voltage (DC)=30V, Max Surge Current=5.5A, Mount="Surface Mount", Number of Pins=2, Output Current=500mA, Packaging="Tape and Reel", Peak Non-Repetitive Surge Current=5.5A, Polarity=Standard, Pricing 1="1=0,34400, 10=0,23900, 100=0,12200, 500=0,10000 (USD)", Radiation Hardening=No, REACH SVHC="No SVHC", RoHS=Yes, RoHS Compliant=Yes, Series=-, Stock 1=10, Supplier 1=Newark, Voltage Rating (DC)=30V, Weight=0.03g, Width=1.6mm
FB1 FB2 FB3: "TDK         MMZ2012Y600BT000             FERRITE BEAD, 60 OHM, 1A, 0805", Case Code (Metric)=2012, Case Code (Imperial)=0805, Current Rating=1A, DC Resistance (DCR)=100mR, Manufacturer=TDK, Package Quantity=4000, Supplier Part Number 1=445-2204-1-ND, Tolerance=25%, Case/Package=0805, Category="Ferrite Beads and Chips", ComponentLink1Description=https://datasheet.ciiva.com/46634/beads-commercial-signal-mmz-en-46634486.pdf?src-supplier=Digi-Key, ComponentLink1URL=https://datasheet.ciiva.com/46634/beads-commercial-signal-mmz-en-46634486.pdf?src-supplier=Digi-Key, ComponentLink2Description=https://datasheet.ciiva.com/46634/beads-commercial-signal-mmz-en-46634489.pdf?src-supplier=Digi-Key, ComponentLink2URL=https://datasheet.ciiva.com/46634/beads-commercial-signal-mmz-en-46634489.pdf?src-supplier=Digi-Key, ComponentLink3Description=https://datasheet.ciiva.com/46634/beads-commercial-signal-mmz-en-46634603.pdf?src-supplier=Digi-Key, ComponentLink3URL=https://datasheet.ciiva.com/46634/beads-commercial-signal-mmz-en-46634603.pdf?src-supplier=Digi-Key, ComponentLink4Description=https://datasheet.ciiva.com/48682/beads-commercial-signal-mmz-en-48682571.pdf?src-supplier=Avnet, ComponentLink4URL=https://datasheet.ciiva.com/48682/beads-commercial-signal-mmz-en-48682571.pdf?src-supplier=Avnet, Core Material=Ferrite, Depth=1.25mm, Height=0.041inch, Length=0.079inch, Manufacturer Part Number=MMZ2012Y600BT000, Max DC Current=1A, Mount="Surface Mount", Packaging="Tape and Reel", Pricing 1="1=0,11000, 10=0,08800, 25=0,07920, 50=0,05800, 100=0,05020, 250=0,03960, 500=0,03344, 1000=0,02816 (USD)", REACH SVHC="No SVHC", RoHS=Yes, RoHS Compliant=Yes, Stock 1=10400, Supplier 1=Digi-Key, Width=0.049inch, Impedance=60R
FID1 FID2 FID3 FID4: library part FID-1MMC, "Fiducial 40 mil Diameter, 120 mil Mask"
J1: library part TSW-102-23-S-D, "CONN HEADER 4POS .100 DUAL GOLD", Color=Black, Manufacturer=Samtec, Max Current Rating=7.6A, Max Operating Temperature=125°C, Max Voltage Rating (AC)=550V, Min Operating Temperature=-55°C, Supplier Part Number 1=SAM1072-02-ND, Category=Connectors, ComponentLink1Description=https://datasheet.ciiva.com/6863/tsw-xxx-xx-xxx-x-xx-xxx-mkt-6863142.pdf?src-supplier=Digi-Key, ComponentLink1URL=https://datasheet.ciiva.com/6863/tsw-xxx-xx-xxx-x-xx-xxx-mkt-6863142.pdf?src-supplier=Digi-Key, ComponentLink2Description=https://datasheet.ciiva.com/10190/htsw-th-10190190.pdf?src-supplier=Avnet, ComponentLink2URL=https://datasheet.ciiva.com/10190/htsw-th-10190190.pdf?src-supplier=Avnet, Connector Type="Male Pin", Contact Material=Bronze, Contact Mating Length=0.23inch, Contact Plating=Gold, Contact Type="Male Pin", Gender=Male, Height=2.54mm, Housing Color=Black, Housing Material=Plastic, Lead Free="Lead Free", Length=5.08mm, Manufacturer Part Number=TSW-102-23-S-D, Mount="Through Hole", Number of Contacts=4, Number of Positions=4, Number of Rows=2, Orientation=Straight, Packaging=Bulk, Pitch=2.54mm, Pricing 1="1=0,66000, 10=0,61800, 25=0,55600, 50=0,49420, 100=0,47360, 250=0,43244, 500=0,41184 (USD)", Radiation Hardening=No, RoHS=Yes, RoHS Compliant=Yes, Row Spacing=0.1inch, Series=TSW, Stock 1=382, Supplier 1=Digi-Key, Termination=Solder, Width=5.08mm